# KiCad board nodular-base.kicad_pcb (continued)
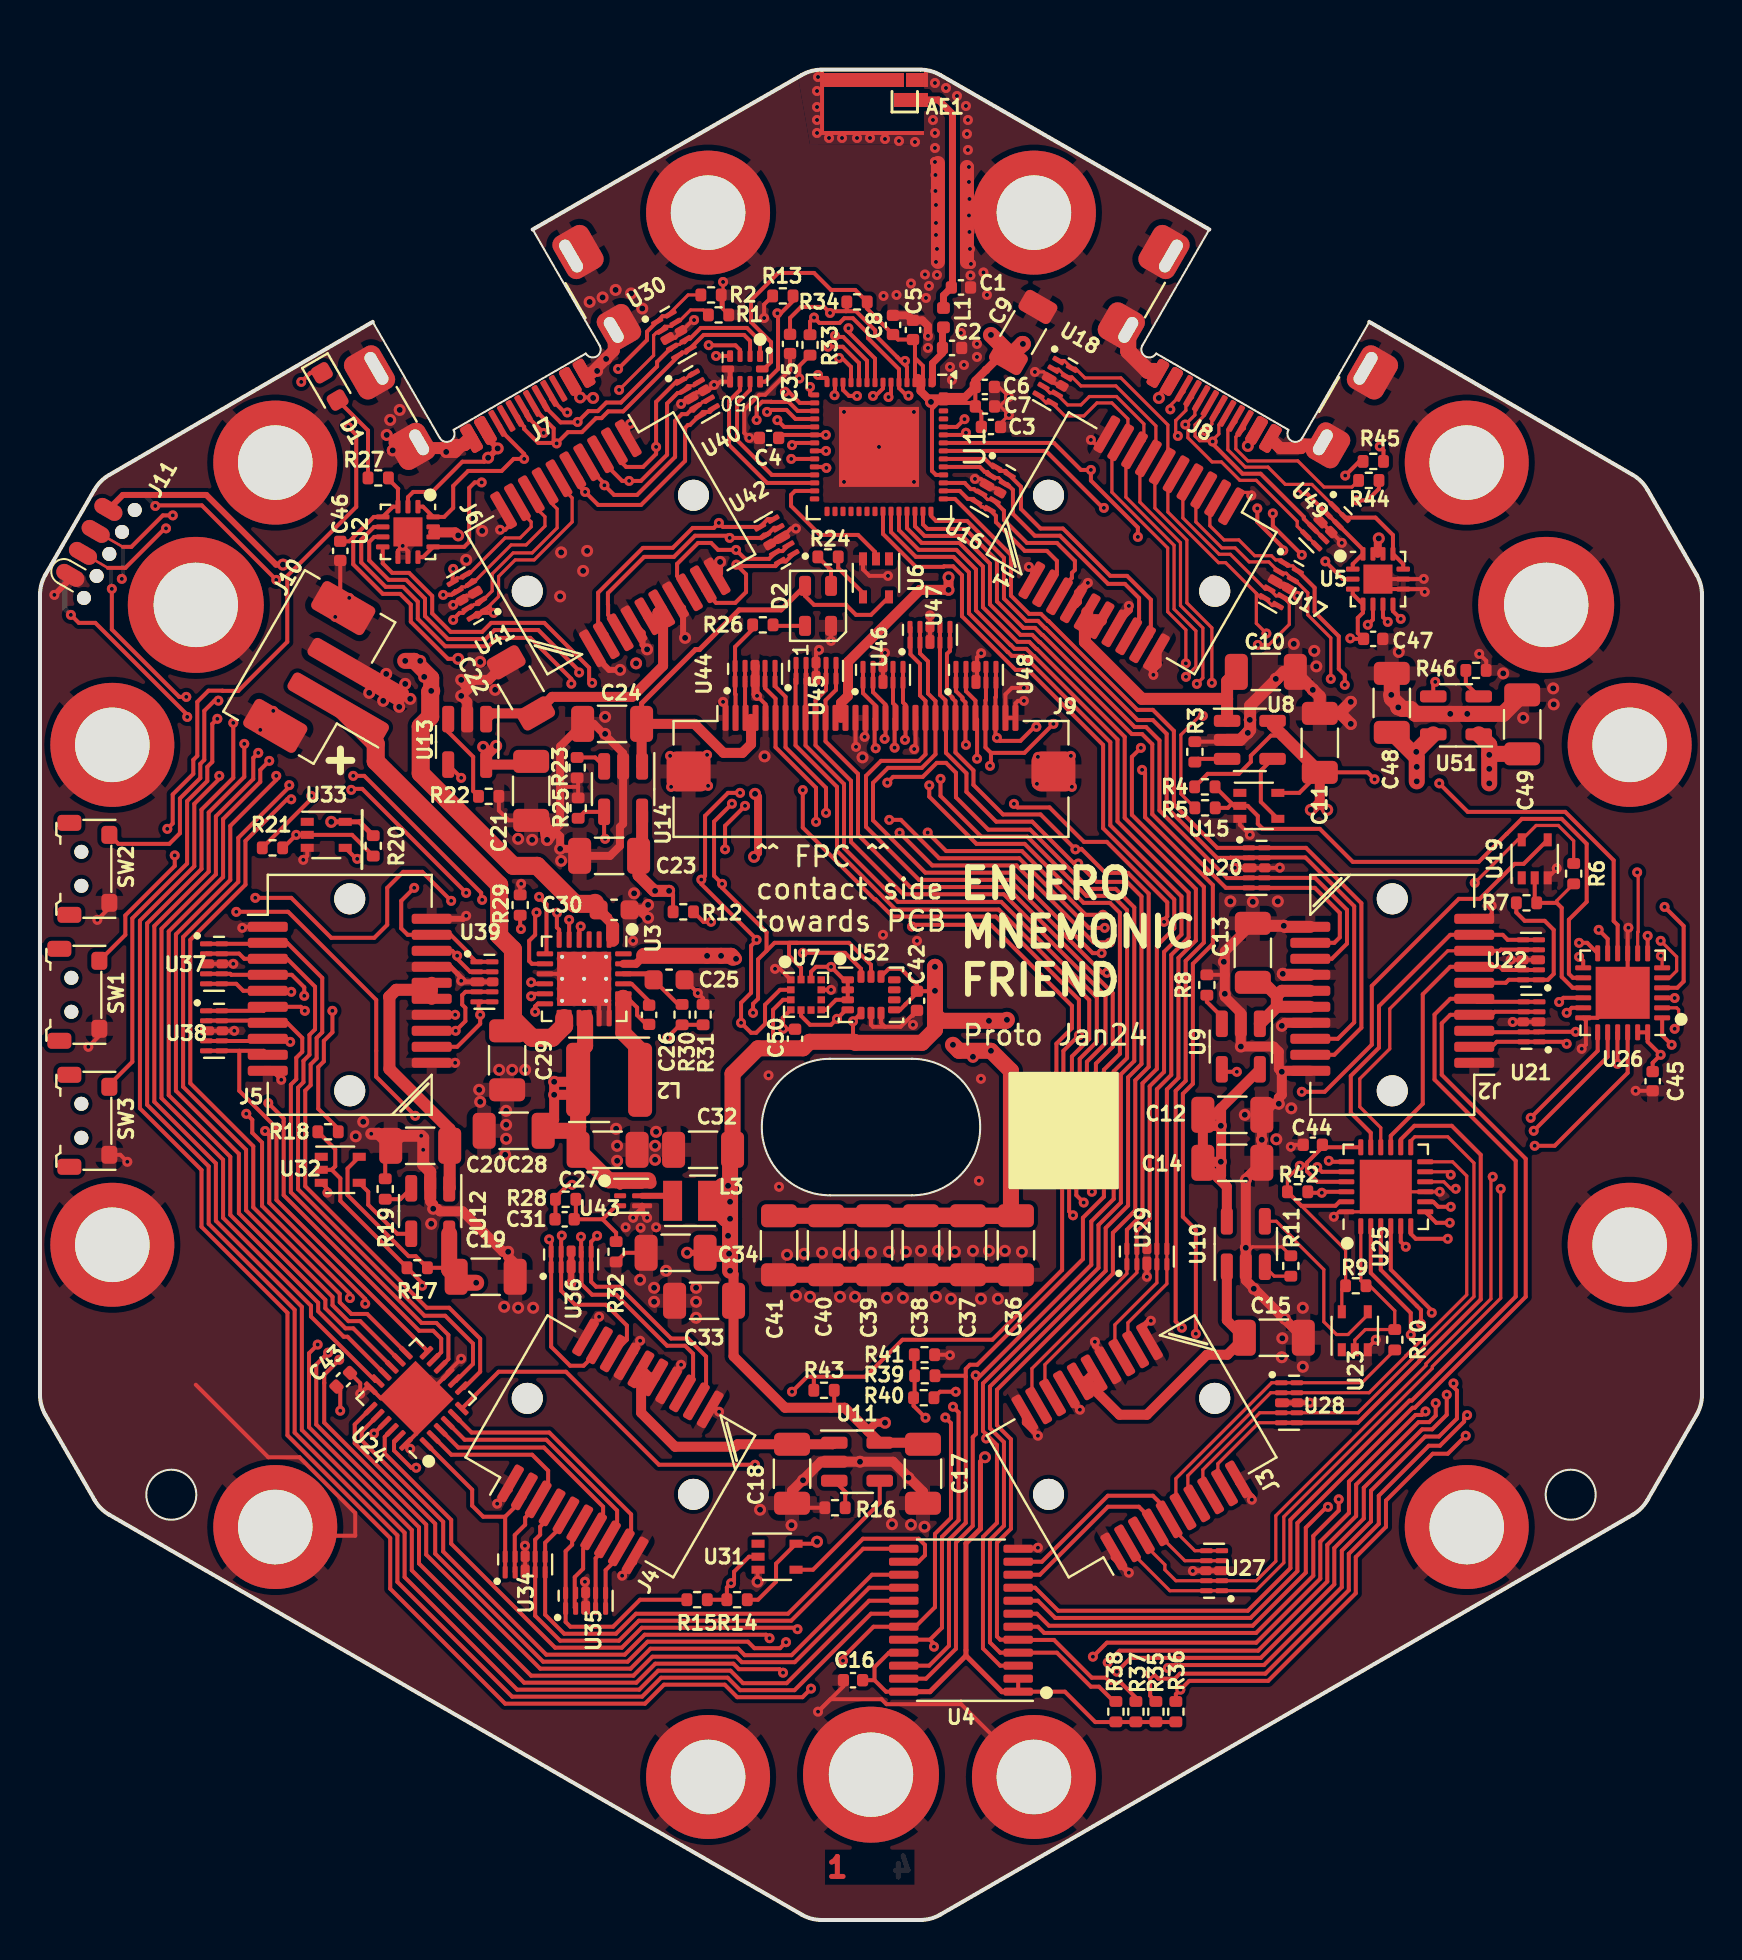
[diagram p0: board, top side]
## Routing (per net, layer and track width the routed paths; a pad name or vN(x,y) marks a point on that pad's centre or on a via; arc(x,y) is an arc through that point) (continued)
/bot-top-link/LED_DATA_TOP: length 5
  Top w0.2: R26.2 35.65,64.55 34.77,63.67 U44.10 34.77,61.32 34.79,61.29 J9.2
/bot-top-link/TOP_VBAT_SW: length 29.4
  Top w0.2: J9.3 35.27,60.14 U44.2 U44.9 ; U6.5 41.57,65.27 40.82,65.27 40.32,65.77 38.72,65.77 38.27,66.22 D2.4
  Top w0.25: D2.4 37.07,65.52 34.97,65.52 32.99,63.53 32.78,63.53 30.09,60.84 C24.1
  Top w0.5: U14.1 30.09,57.72 C24.1 32.74,59.82 34.19,58.37 35.14,58.37 35.57,58.8 35.57,60.07
/DEV_USB+: length 45.7
  Top w0.127: J11.2 3.39,67.62
  Top w0.2: v1(25.84,73.84) 25.82,73.87 24.92,73.87 24.22,74.57 24.22,74.67 23.92,74.97 23.92,75.18 J7.B6 ; v1(25.84,73.84) 25.69,73.99 25.69,74.59 24.77,75.52 24.77,75.64 ; v1(25.84,73.84) 26.41,74.41 27.11,74.41 27.81,75.11 28.09,75.11 28.42,75.44 29.17,75.44 32.12,78.39 32.32,78.39 33.2,79.27 35.22,79.27 35.52,78.97 U50.2 ; 3.39,67.62 4.27,67.62 6.25,69.59 v1(6.3,69.59)
  In2.Cu w0.2: v1(25.84,73.84) 25.69,73.69 24.8,73.69 24.35,74.14 22.49,74.14 20.27,71.92 19.22,71.92 18.64,71.34 16.42,71.34 13.54,68.47 10.82,68.47 9.77,69.52 6.38,69.52 v1(6.3,69.59)
/DEV_USB-: length 44.5
  Top w0.127: J11.3 4.14,68.67
  Top w0.16: 32.1,78.9 31.99,78.79 31.83,78.79 31.56,78.52 31.43,78.52
  Top w0.2: 4.14,68.67 4.57,68.67 6.14,70.24 v1(6.64,70.24) ; J7.A7 24.34,75.44 24.34,75.22 v1(25.19,74.37) ; 32.1,78.9 32.23,78.9 32.42,79.09 32.52,79.09 33.05,79.62 35.36,79.62 36.02,78.96 U50.1 ; J7.B7 25.22,75.93 25.22,75.72 26.04,74.89 26.87,74.89 v1(26.89,74.92) 27.43,75.46 27.9,75.46 28.33,75.89 29.06,75.89 30.87,77.7 30.87,77.92 31.43,78.48 31.43,78.52
  In2.Cu w0.2: v1(26.89,74.92) 26.34,74.37 v1(25.19,74.37) 25.07,74.49 22.29,74.49 20.09,72.29 19.1,72.29 18.55,71.74 16.22,71.74 13.34,68.86 10.92,68.86 9.86,69.92 6.97,69.92 v1(6.64,70.24)
/ESP_RXD: length 112.7
  Top w0.2: v1(49.84,59.67) 49.75,59.67 49.04,58.97 48.02,58.97 v1(47.87,59.12) 47.79,59.19 J9.28 47.79,61.14 47.82,61.17 U48.5 U48.6 ; v1(7.32,61.17) 6.96,61.17 3.59,64.54 v1(3.59,66.57) ; v1(63.12,68.27) 61.67,69.72 v1(61.67,70.34) ; 45.42,73.87 50.72,73.87 52.07,72.52 v1(52.57,72.52) 52.57,71.99 54.92,69.64 v1(54.92,69.17) ; R44.1 66.98,71.58 66.39,70.99 v1(65.87,70.99) ; v1(15.67,57.22) 16.22,57.22 22.07,51.37 22.07,51.07 v1(22.12,51.02)
  In2.Cu w0.2: v1(47.87,59.12) 48.02,58.97 48.02,57.47 45.47,54.92 43.29,54.92 42.27,55.94 39.09,55.94 37.67,54.52 28.53,54.52 28.48,54.57 27.92,54.57 27.47,54.12 27.47,52.87 26.27,51.67 24.76,51.67 24.11,51.02 v1(22.12,51.02) ; v1(15.67,57.22) 15.07,57.22 14.22,56.37 14.22,56.01 13.58,55.37 12.37,55.37 11.92,55.82 11.92,56.32 7.32,60.92 v1(7.32,61.17) ; v1(52.57,72.52) 52.57,70.67 50.37,68.47 50.37,60.47 49.84,59.94 v1(49.84,59.67) ; v1(61.67,70.34) 64.27,70.34 64.92,70.99 v1(65.87,70.99) ; v1(63.12,68.27) 62.82,67.97 60.75,67.97 59.55,69.17 v1(54.92,69.17)
  Bottom w0.127: J11.7 3.54,67.54
  Bottom w0.16: v1(3.59,66.57) 3.59,66.59 3.54,66.64 3.54,67.54
/ESP_TXD: length 110.9
  Top w0.2: v1(50.69,59.82) 49.24,58.37 47.57,58.37 ; v1(67.02,73.69) 67.2,73.51 R45.1 ; v1(62.19,68.49) 62.24,68.54 62.27,68.54 60.89,69.92 v1(60.89,70.59) ; 47.57,58.37 47.57,57.77 v1(47.52,57.72) ; 47.57,58.37 47.29,58.64 J9.27 47.29,60.99 47.32,61.02 U48.4 U48.7 ; 45.42,73.47 50.32,73.47 53.17,70.62 v1(53.22,70.62) ; v1(15.57,56.52) 15.62,56.57 16.12,56.57 v1(21.32,51.37) ; v1(7.37,60.16) 7.37,60.27 2.77,64.87 1.94,64.87 v1(1.54,65.27)
  In2.Cu w0.2: v1(15.57,56.52) 15.27,56.52 13.67,54.92 13.32,54.92 13.27,54.87 12.37,54.87 9.27,57.97 9.27,58.27 7.37,60.16 v1(7.37,60.16) ; v1(60.89,70.59) 61.39,71.09 62.43,71.09 62.71,70.81 64.04,70.81 64.82,71.59 65.37,71.59 67.02,73.24 v1(67.02,73.69) ; v1(62.19,68.49) 61.89,68.79 60.42,68.79 59.32,69.89 55.27,69.89 54.54,70.62 v1(53.22,70.62) 50.72,68.12 50.72,59.84 v1(50.69,59.82) ; v1(21.32,51.37) 21.32,51.42 22.22,52.32 25.47,52.32 25.77,52.02 26.12,52.02 26.9,52.79 26.9,54.04 27.77,54.92 37.47,54.92 38.84,56.29 42.41,56.29 43.29,55.42 45.22,55.42 v1(47.52,57.72)
  Bottom w0.25: v1(1.54,65.27) 1.24,65.57 1.24,66.49 1.22,66.51 1.22,66.95 J11.8
/GPIO/ALS1: length 39.8
  Top w0.16: U17.10 62.67,67.72 62.39,67.72 U17.1 62.09,68.02 61.81,68.02 61.6,68.23 60.76,68.23 59.97,69.02 59.23,69.02 58.52,69.73 58.52,70.71 J1.2 ; 79.92,48.34 79.92,49.39 79.94,49.42 79.94,52.34 v1(79.89,52.39)
  Top w0.2: U17.10 63.76,66.63 63.76,65.41 64.97,64.2 64.97,62.57 65.27,62.27 v1(65.27,61.77)
  In2.Cu w0.2: v1(65.27,61.77) 64.97,61.47 64.97,58.95 66.26,57.66 66.26,55.48 67.17,54.57 72.1,54.57 74.6,52.07 79.57,52.07 v1(79.89,52.39)
/GPIO/ALS2: length 48
  Top w0.16: v1(64.57,62.07) 64.57,64.12 63.42,65.27 63.42,66.37 62.75,67.03 U17.9 62.65,67.03 62.34,67.35 62.07,67.35 U17.2 61.96,67.42 61.47,67.92 60.49,67.92 59.79,68.62 59.12,68.62 57.82,69.92 57.82,71.1 J1.3
  Top w0.2: v1(81.62,43.77) 81.14,44.24 U26.1
  In2.Cu w0.16: v1(64.57,62.07) 64.57,58.87 65.92,57.52 65.92,54.83 66.55,54.2 71.99,54.2 74.45,51.74 80.88,51.74 82.26,50.36 82.26,44.36 81.66,43.77 v1(81.62,43.77)
/GPIO/ALS3: length 58.9
  Top w0.16: U26.2 81.87,45.62 81.97,45.52 81.97,44.77 v1(81.77,44.57) ; v1(57.87,61.82) 58.17,62.12 58.17,64.62 57.05,65.74 57.05,68.88 55.02,70.91 55.02,72.68 J1.7 55.82,73.48 55.82,74.72 53.82,76.72 52.07,76.72 51.62,77.17 U18.9 51.34,77.17 50.95,77.55 U18.2
  In2.Cu w0.16: v1(57.87,61.82) 57.87,62.07 58.32,62.52 59.32,62.52 64.93,56.91 64.93,54.46 66.47,52.92 71.42,52.92 73.53,50.81 79.92,50.81 81.57,49.16 81.57,47.69 81.22,47.34 81.22,45.12 v1(81.77,44.57)
/GPIO/ALS4: length 56.6
  Top w0.16: U26.3 81.76,46.12 v1(81.77,46.11) ; U18.4 50.51,76.37 50.8,76.37 U18.7 51.4,75.77 52.07,75.77 52.49,76.19 53.85,76.19 55.22,74.82 55.22,73.97 J1.8 54.75,73.2 54.32,72.77 54.32,71.16 56.73,68.75 56.73,65.56 57.82,64.47 57.82,62.67 v1(57.32,62.17)
  In2.Cu w0.16: v1(57.32,62.17) 57.52,62.17 58.19,62.84 59.45,62.84 65.25,57.04 65.25,54.59 66.57,53.27 71.67,53.27 73.82,51.12 80.12,51.12 81.91,49.33 81.91,46.25 v1(81.77,46.11)
/GPIO/ALS5: length 55.7
  Top w0.16: U18.5 50.34,75.87 U18.6 51.27,75.22 52.22,75.22 52.87,75.87 53.62,75.87 54.42,75.07 54.42,74.26 J1.9 53.62,73.46 53.62,71.4 56.41,68.61 56.41,65.43 57.32,64.52 57.32,62.85 v1(57.32,62.84)
  Top w0.2: v1(81.27,50.66) 82.22,49.71 82.22,46.94 81.9,46.62 U26.4
  In2.Cu w0.16: v1(81.27,50.66) 80.5,51.43 74.13,51.43 71.96,53.6 66.7,53.6 65.57,54.72 65.57,57.27 59.67,63.17 57.64,63.17 v1(57.32,62.84)
/GPIO/BLS1: length 15.2
  Top w0.16: v1(81.07,48.97) 81.87,48.17 81.87,47.47 81.52,47.12 U26.5
  Top w0.2: v1(76.37,43.82) 76.27,43.92 U21.1 72.87,43.92 72.62,43.67 J2.2
  In2.Cu w0.16: v1(81.07,48.97) 80.47,48.37 80.47,47.82 77.56,44.91 76.62,44.91 76.33,44.62 76.33,43.86 v1(76.37,43.82)
/GPIO/BLS2: length 11.9
  Top w0.16: U26.6 81.14,48.15 v1(81.08,48.22)
  Top w0.2: v1(76.82,44.42) U21.2 74.97,44.4 71.81,44.4 J2.3
  In2.Cu w0.16: v1(81.08,48.22) 81.08,47.65 77.85,44.42 v1(76.82,44.42)
/GPIO/BLS3: length 14.8
  Top w0.2: U22.2 74.96,47.51 73.18,47.51 73.02,47.67 J2.7 70.54,47.67 69.17,46.29 69.17,40.82 67.57,39.22 U25.15
/GPIO/BLS4: length 16.7
  Top w0.16: U25.16 67.07,39.62 66.02,40.67 66.02,42.07 67.52,43.57 67.52,45.57 70.42,48.47 J2.8
  Top w0.2: J2.8 73.02,48.47 73.08,48.53 74.96,48.53 U22.4
/GPIO/BLS5: length 17.6
  Top w0.2: U25.17 66.57,39.37 65.57,40.37 65.57,42.21 66.98,43.62 66.98,45.7 70.54,49.27 J2.9 73.17,49.27 73.42,49.02 U22.5
/GPIO/BTN1: length 54.2
  Top w0.2: 77.92,48.34 77.39,48.87 v1(76.99,48.87) ; U44.7 U44.4 36.27,61.61 36.79,61.08 J9.6 36.79,58.65 38.82,56.62 v1(38.82,54.92) ; v1(53.51,48.88) 53.5,48.89 52.7,48.89 48.85,52.74 44.63,52.74 v1(43,54.37)
  In2.Cu w0.2: v1(76.99,48.87) 77.32,48.87 77.77,48.42 77.77,47.87 77.01,47.11 73.18,47.11 72.07,48.22 59.71,48.22 59.45,48.48 58.99,48.48 58.73,48.22 54.17,48.22 v1(53.51,48.88) ; v1(43,54.37) 42.85,54.52 39.22,54.52 v1(38.82,54.92)
/GPIO/BTN2: length 50.4
  Top w0.2: v1(53.26,49.62) 52.47,49.62 48.98,53.1 44.98,53.1 43.06,55.02 v1(42.48,55.02) ; v1(39.32,55.37) 39.32,56.62 37.29,58.64 J9.7 37.29,61.17 36.77,61.7 U44.5 U44.6 ; v1(76.99,48.17) 77.19,47.96 U26.13
  In2.Cu w0.2: v1(39.32,55.37) 39.47,55.22 42.28,55.22 v1(42.48,55.02) ; v1(76.99,48.17) 75.47,48.17 74.77,47.47 73.35,47.47 72.2,48.62 59.82,48.62 59.6,48.84 58.84,48.84 58.62,48.62 54.49,48.62 53.49,49.62 v1(53.26,49.62)
/GPIO/BTN3: length 55.7
  Top w0.2: U45.10 U45.1 37.79,62.06 J9.8 37.79,58.74 39.87,56.67 39.87,53.47 42.8,50.53 47.96,50.53 52.49,46 52.49,44.05 51.62,43.19 51.62,38.32 51.48,38.18 51.48,35.44 v1(51.67,35.24) ; v1(68.32,33.67) 68.07,33.92 68.07,34.69
  In2.Cu w0.2: v1(68.32,33.67) 64.35,33.67 63.42,34.6 52.32,34.6 v1(51.67,35.24)
/GPIO/BTN4: length 58.2
  Top w0.2: v1(52.21,35.88) 51.84,36.25 51.84,38 52.01,38.17 52.01,43.07 52.86,43.92 52.86,46.13 48.08,50.92 42.91,50.92 40.22,53.61 40.22,56.81 38.29,58.74 J9.9 38.29,62.06 U45.2 U45.9 ; v1(70.42,34.07) 68.82,34.07 68.57,34.32 68.57,34.69
  In2.Cu w0.2: v1(70.42,34.07) 69.87,34.61 69.56,34.3 64.36,34.3 63.7,34.96 53.13,34.96 v1(52.21,35.88)
/GPIO/BTN5: length 56.8
  Top w0.2: U45.7 U45.4 39.32,61.52 38.79,60.99 J9.10 38.79,58.74 40.57,56.97 40.57,53.91 43.18,51.3 48.21,51.3 53.3,46.21 53.3,43.85 52.37,42.92 52.37,37.77 52.2,37.6 52.2,36.84 v1(52.62,36.42) ; v1(70.52,34.87) 69.84,34.87 U25.7
  In2.Cu w0.2: v1(52.62,36.42) 53.72,35.32 63.85,35.32 64.51,34.66 69.41,34.66 70.07,35.32 v1(70.52,34.87)
/GPIO/BTN6: length 54.9
  Top w0.2: v1(70.57,35.67) 69.94,35.67 69.69,35.92 U25.8 ; v1(52.71,37.23) 52.82,37.34 52.82,42.83 53.66,43.67 53.66,46.36 48.36,51.66 43.53,51.66 40.92,54.27 40.92,57.32 39.29,58.94 J9.11 39.29,60.99 39.82,61.52 U45.5 U45.6
  In2.Cu w0.2: v1(52.71,37.23) 54.26,35.68 70.56,35.68 v1(70.57,35.67)
/GPIO/CLS1: length 36.6
  Top w0.16: v1(70.82,36.57) 70.58,36.57 70.23,36.92 U25.10 ; J3.2 54.41,18.58 56.52,16.47 U27.1 60.82,16.47 62.22,17.87 62.22,20.17 69.65,27.6 69.65,27.68 73.07,31.1 v1(73.07,36.57)
  In2.Cu w0.16: v1(70.82,36.57) v1(73.07,36.57)
/GPIO/CLS2: length 36.4
  Top w0.16: U27.2 56.82,16.97 56.27,17.52 56.27,17.77 55.1,18.94 J3.3 ; U25.11 70.42,37.42 v1(70.57,37.27) ; v1(72.67,37.17) 72.58,37.08 72.58,31.06 69.33,27.81 69.33,27.73 61.82,20.22 61.82,17.94 60.84,16.97 58.34,16.97
  In2.Cu w0.16: v1(70.57,37.27) 72.57,37.27 v1(72.67,37.17)
/GPIO/CLS3: length 28.4
  Top w0.16: U28.2 66.48,26.37 68.33,28.21 68.33,28.23 71.37,31.27 71.37,37.21 70.66,37.92 U25.12 ; J3.7 57.87,21.07 57.42,21.52 57.42,22.22 61.56,26.37 U28.9
/GPIO/CLS4: length 29.4
  Top w0.16: J3.8 58.17,21.63 58.17,22.52 61.02,25.37 U28.7 65.94,25.37 68.65,28.08 68.65,28.1 71.73,31.18 71.73,37.86 70.42,39.17 68.77,39.17 68.57,38.97 U25.13
/GPIO/CLS5: length 31.2
  Top w0.16: J3.9 58.92,21.97 58.92,22.82 60.97,24.87 U28.6
  Top w0.2: U25.14 68.07,39.04 68.75,39.72 70.62,39.72 72.07,38.27 72.07,31.03 68.99,27.95 68.99,27.94 65.92,24.87 U28.5
/GPIO/DET_A: length 30.4
  Top w0.2: 59.62,55.82 R4.2 ; 59.62,55.82 59.73,55.72 U15.2 60.41,55.72 60.92,55.21 60.92,54.82 61.17,54.57 64.02,54.57 65.67,52.92 71.97,52.92 73.36,54.31 73.37,54.31 74.12,55.07 76.12,55.07 77.37,53.82 77.37,50.92 76.48,50.03 76.48,47.32 76.68,47.12 U26.14 ; 59.62,55.82 59.42,55.62 R5.1
/GPIO/DET_B: length 8.7
  Top w0.16: R6.2 75.87,50.97 75.87,50.87
  Top w0.2: U19.2 74.77,50.97 R7.1 75.87,50.87 76.12,50.62 76.12,47.17 76.67,46.62 U26.15
/GPIO/DET_C: length 8.7
  Top w0.16: 66.07,34.69 66.07,31.98 R9.2 66.52,31.72 67.77,30.47 R10.1 66.29,29.53 65.77,29 U23.2
/GPIO/DET_D: length 59.7
  Top w0.2: 66.57,34.69 66.57,32.36 68.57,30.36 v1(68.57,29.27) ; v1(52.67,13.17) 53.37,13.87 60.84,13.87 64.04,17.07 64.04,18.92 65.48,20.35 65.48,21.92 68.81,25.26 69.13,25.26 v1(69.3,25.43) ; R15.1 R14.2 34.36,16.63 v1(34.57,16.84) 34.72,16.99 34.72,17.42 35.47,18.17 U31.2
  In2.Cu w0.2: v1(68.57,29.27) 68.82,29.02 68.82,25.92 v1(69.3,25.43) ; v1(34.57,16.84) 34.57,14.6 36.25,12.92 38.84,12.92 39.31,12.45 45.6,12.45 46.32,13.17 v1(52.67,13.17)
/GPIO/DET_E: length 103.7
  Top w0.2: v1(69.08,29.82) 69.08,30.51 67.07,32.52 67.07,34.69 ; R18.1 14.77,38.55 14.77,37.69 14.59,37.52 ; 14.59,37.52 15.02,37.09 15.02,35.96 18.36,32.63 R17.2 19.12,31.86 v1(19.12,31.72) ; 14.59,37.52 U32.2 ; v1(13.89,28.78) 13.46,28.34 13.46,24.64 18.6,19.5 18.6,17.49 24.22,11.87 29.83,11.87 30.78,12.82 34.69,12.82 34.96,12.54 36.99,12.54 v1(37.17,12.37) ; v1(53.41,12.88) 54,13.47 60.93,13.47 64.39,16.93 64.39,18.76 65.84,20.2 65.84,21.77 68.96,24.9 69.49,24.9 69.82,25.22 v1(69.82,25.85)
  In2.Cu w0.2: v1(37.17,12.37) 37.19,12.39 38.74,12.39 39.04,12.1 52.63,12.1 v1(53.41,12.88) ; v1(19.12,31.72) 15.4,31.72 13.89,30.21 v1(13.89,28.78) ; v1(69.08,29.82) 69.47,29.43 69.47,26.2 v1(69.82,25.85)
/GPIO/DET_F: length 132.1
  Top w0.2: v1(8.97,57.22) 8.97,57.07 7.72,55.82 7.72,52.7 5,49.98 5,40.59 8.08,37.51 8.08,34.67 12.38,30.37 12.38,24.24 17.52,19.1 17.52,16.57 23.27,10.82 30.26,10.82 31.21,11.77 34.25,11.77 34.88,11.14 38.14,11.14 v1(38.57,11.57) ; v1(70.37,26.27) 70.37,25.27 69.64,24.54 69.14,24.54 66.22,21.62 66.22,20.08 64.74,18.6 64.74,16.78 61.07,13.11 54.56,13.11 v1(53.87,12.42) ; R21.1 12.17,53.62 v1(12.82,54.27) U33.2 15.61,54.27 R20.2 ; 67.57,34.69 67.57,32.53 69.62,30.48 v1(69.62,30.37)
  In2.Cu w0.2: v1(70.37,26.27) 69.92,26.72 69.92,30.07 v1(69.62,30.37) ; v1(38.57,11.57) 38.64,11.64 53.09,11.64 v1(53.87,12.42) ; v1(12.82,54.27) 12.42,54.27 9.47,57.22 v1(8.97,57.22)
/GPIO/DLS1: length 10.4
  Top w0.2: 23.27,20.17 22.17,20.17 21.62,20.72 21.62,21.52 19.33,23.81 U24.1 ; 23.27,20.17 U34.1 ; 23.27,20.17 24.23,21.13 J4.2
/GPIO/DLS2: length 12.2
  Top w0.2: U34.2 23.75,17.41 23.75,19.25 24.27,19.77 24.27,20.12 24.92,20.77 J4.3 24.92,21.27 25.42,21.77 25.42,22.47 24.62,23.27 20.58,23.27 U24.2
/GPIO/DLS3: length 13.5
  Top w0.2: 27.17,18.57 27.17,17.57 26.75,17.15 26.75,15.62 U35.2 ; U24.3 20.93,23.63 25.21,23.63 28.17,20.67 28.17,20.17 28.12,20.12
/GPIO/DLS4: length 14.7
  Top w0.2: U24.4 21.24,24.02 25.33,24.02 28.87,20.48 28.87,19.82 ; U35.4 27.79,18.09 28.02,18.32 28.02,18.67 J4.8
/GPIO/DLS5: length 15.2
  Top w0.2: U24.5 21.59,24.38 25.48,24.38 29.57,20.29 29.57,19.42 29.52,19.37 ; U35.5 28.29,17.49 28.77,17.97 28.77,18.33 J4.9
/GPIO/ELS1: length 32.1
  Top w0.2: U37.1 11.34,48.82 J5.2 12.36,48.87 14.12,47.11 14.12,44.39 13.84,44.11 13.84,43.09 13.54,42.79 13.54,41.75 13.27,41.48 13.27,36.7 19.35,30.62 20.47,30.62 22.02,29.07 22.02,27.42 21.2,26.6 U24.7
/GPIO/ELS2: length 30.8
  Top w0.2: U37.2 8.33,48.33 9.96,48.33 10.22,48.07 J5.3 12.36,48.07 13.76,46.67 13.76,44.54 13.48,44.26 13.48,43.27 13.18,42.97 13.18,41.9 12.91,41.63 12.91,36.55 19.24,30.22 20.27,30.22 21.66,28.83 21.66,27.81 20.8,26.95 U24.8
/GPIO/ELS3: length 25.7
  Top w0.2: U24.10 20.43,28.05 20.43,29.26 19.83,29.86 19.09,29.86 12.55,36.4 12.55,41.78 12.82,42.05 12.82,43.12 13.12,43.42 13.12,44.11 12.36,44.87 J5.7 11.28,44.98 8.33,44.98 U38.2
/GPIO/ELS4: length 24.8
  Top w0.2: U24.11 20.07,28.4 20.07,29.07 19.67,29.47 18.97,29.47 12.19,36.25 12.19,40.08 v1(11.42,40.85) ; v1(12.52,43.92) 12.36,44.07 J5.8 11.28,43.96 8.33,43.96 U38.4
  In2.Cu w0.2: v1(12.52,43.92) 11.42,42.82 v1(11.42,40.85)
/GPIO/ELS5: length 22.1
  Top w0.2: U38.5 9.97,43.47 ; 9.97,43.47 11.19,43.47 J5.9 ; 9.97,43.47 9.97,41.47 11.83,39.61 11.83,36.01 19.33,28.51 U24.12
/GPIO/FLS1: length 72.4
  Top w0.16: U40.10 32.59,77.35 32.28,77.05 32.12,77.05 U40.1
  Top w0.2: U40.1 31.86,76.97 30.82,75.92 v1(30.82,73.67) 30.82,73.32 30.17,72.67 29.32,72.67 29.07,72.92 29.07,73.36 J6.2 ; U24.13 16.37,30.31 15.58,30.31 14.99,30.89 14.99,31.31 10.67,35.64 10.67,38.69 7.52,41.84 7.52,49.02 10.28,51.78 10.28,53.97 12.36,56.05 v1(12.57,56.05)
  In2.Cu w0.2: v1(12.57,56.05) 14.22,57.7 14.22,61.27 16.98,64.03 20.98,64.03 22.04,65.09 22.04,66.79 24.92,69.67 28.12,69.67 30.82,72.37 v1(30.82,73.67)
/GPIO/FLS2: length 71.2
  Top w0.16: U40.9 32.9,76.92 32.71,76.73 32.4,76.73 32.09,76.42 32.07,76.42
  Top w0.2: v1(12.47,56.75) 12.47,56.67 9.92,54.12 9.92,51.92 7.16,49.16 7.16,41.67 10.31,38.52 10.31,35.49 14.63,31.17 14.63,30.74 15.43,29.95 16.02,29.95 U24.14 ; 32.03,76.37 31.9,76.37 31.37,75.84 31.37,73.28 30.06,71.97 v1(29.47,71.97) 29.12,71.97 28.04,73.05 J6.3
  In2.Cu w0.2: v1(12.47,56.75) 13.87,58.15 13.87,61.52 16.74,64.39 20.83,64.39 21.67,65.23 21.67,66.97 24.77,70.07 27.32,70.07 29.22,71.97 v1(29.47,71.97)
/GPIO/FLS3: length 59.3
  Top w0.16: 25.67,71.07 25.67,70.77 25.87,70.57 25.87,69.62 24.62,68.37 23.67,68.37 22.62,67.32 22.62,66.46 21.94,65.79 21.71,65.79 21.52,65.6 U41.9
  Top w0.2: v1(11.82,57.22) 11.82,57.02 9.52,54.72 9.52,52.01 6.8,49.29 6.8,41.47 9.95,38.32 9.95,35.34 14.27,31.02 14.27,30.59 15.28,29.59 15.67,29.59 U24.15 ; U41.9 21.16,65.37 20.99,65.37 20.67,65.05 v1(20.67,65.02)
  In2.Cu w0.2: v1(20.67,65.02) 20.47,64.82 16.53,64.82 13.42,61.71 13.42,58.82 v1(11.82,57.22)
/GPIO/FLS4: length 58.3
  Top w0.16: 25.02,70.57 25.02,70.42 25.26,70.18 25.26,69.71 24.32,68.77 23.57,68.77 21.81,67.01 21.61,67.01 21.27,66.67 21.1,66.67 U41.7
  Top w0.2: v1(11.47,57.97) 11.02,57.52 11.02,56.92 9.16,55.06 9.16,52.16 6.44,49.44 6.44,41.25 9.52,38.17 9.52,35.26 13.91,30.87 13.91,30.44 15.19,29.17 15.39,29.17 U24.16 ; v1(20.17,66.27) 20.45,66.27 20.46,66.28 20.6,66.28 20.78,66.46 U41.7
  In2.Cu w0.2: v1(20.17,66.27) 19.08,65.18 16.38,65.18 13.07,61.87 13.07,59.57 v1(11.47,57.97)
/GPIO/FLS5: length 59.1
  Top w0.16: 24.27,70.32 24.27,70.22 24.57,69.92 24.57,69.67 24.02,69.12 23.27,69.12 21.44,67.28 U41.5 21.15,67.12 20.86,67.12 U41.6
  Top w0.2: U24.17 16.78,26.95 13.55,30.18 13.55,30.72 9.16,35.11 9.16,38.02 6.08,41.1 6.08,49.57 8.8,52.29 8.8,55.19 10.67,57.06 10.67,58.12 v1(10.92,58.37) ; U41.6 20.64,67.54 v1(20.67,67.57)
  In2.Cu w0.2: v1(20.67,67.57) 18.64,65.54 16.23,65.54 12.62,61.93 12.62,60.07 v1(10.92,58.37)
/GPIO/LED_PWR_EN: length 59
  Top w0.2: v1(44.41,54.38) 45.33,53.46 49.12,53.46 52.31,50.27 v1(53.17,50.27) ; v1(28.27,54.07) 28.22,54.12 U14.4 27.24,55.42 R25.1 ; v1(80.42,49.22) 80.42,48.34
  In2.Cu w0.2: v1(44.41,54.38) 43.79,53.77 42.62,53.77 42.22,54.17 28.37,54.17 v1(28.27,54.07) ; v1(53.17,50.27) 53.64,50.27 54.79,49.12 58.61,49.12 58.69,49.2 59.75,49.2 59.97,48.98 71.76,48.98 72.16,49.38 77.32,49.38 77.69,49.01 80.21,49.01 v1(80.42,49.22)
/GPIO/TLS1: length 52.8
  Top w0.2: U26.17 76.62,45.62 v1(76.37,45.37) ; v1(53.37,47.37) 53.14,47.37 48.49,52.02 43.97,52.02 41.32,54.67 41.32,57.22 42.07,57.97 43.97,57.97 44.29,58.29 J9.21 44.29,60.97 44.02,61.24 44.02,62.82 43.54,63.29 43.54,64.63 U47.10
  In2.Cu w0.2: v1(76.37,45.37) 75.81,45.37 75.63,45.55 71.89,45.55 71.22,46.22 61.18,46.22 60.4,47 58.35,47 58.01,46.66 54.08,46.66 v1(53.37,47.37)
/GPIO/TLS2: length 51.6
  Top w0.2: v1(75.99,45.91) 76.2,46.12 U26.16 ; v1(53.1,48.35) 52.66,48.35 48.63,52.38 44.29,52.38 41.67,55 41.67,56.87 42.42,57.62 44.11,57.62 44.79,58.3 J9.22 44.79,60.96 44.42,61.34 44.42,62.94 44.02,63.34 U47.9
  In2.Cu w0.2: v1(75.99,45.91) 72.02,45.91 71.35,46.58 61.33,46.58 60.55,47.36 57.28,47.36 57.22,47.42 54.04,47.42 v1(53.1,48.35)
/I2C/SCL_A: length 85.8
  Top w0.16: J1.5 56.42,71.89 56.42,70.41 58.95,67.88 59.31,67.88 60.84,66.34 ; v1(61.35,64.34) 60.84,64.84 60.84,66.34 ; 60.84,66.34 61.06,66.12 U17.5 61.64,65.74 U17.6
  Top w0.2: v1(57.12,29.62) 56.81,29.93 56.81,41.47 57.31,41.97 57.31,47.97 58.22,48.88 58.22,51.67 54.62,55.27 54.62,58.17 v1(55.07,58.62) ; v1(64.43,20.66) 64.36,20.66 63.32,19.62 63.32,17.37 60.66,14.72 50.47,14.72 49.87,15.32 U4.7
  In2.Cu w0.2: v1(55.07,58.62) 56.34,59.89 56.34,63.24 56.95,63.85 60.29,63.85 60.78,64.34 v1(61.35,64.34) ; v1(57.12,29.62) 57.12,29.3 57.61,28.81 58.53,28.81 64.43,22.91 v1(64.43,20.66)
/I2C/SCL_B: length 54.7
  Top w0.2: U4.9 49.78,16.62 50.93,15.47 60.42,15.47 62.55,17.6 62.55,20.01 68.51,25.98 68.62,25.98 73.82,31.18 73.82,37.97 69.76,42.03 69.76,45.28 70.54,46.07 J2.5 71.89,45.92 U21.5
/I2C/SCL_C: length 12.4
  Top w0.16: U27.5 57.77,18.47 56.48,19.75 J3.5
  Top w0.2: U4.11 50.12,17.92 53.42,21.22 55.67,21.22 56.17,20.72 56.17,20.57
/I2C/SCL_D: length 28.1
  Top w0.2: U4.14 43.94,17.92 44.27,18.24 44.27,18.75 43.96,19.07 41.17,19.07 37.42,15.32 29.81,15.32 28.81,14.32 26.22,14.32 25.27,15.27 U34.5 25.27,18.87 26.12,19.72 26.12,19.82
/I2C/SCL_E: length 67.5
  Top w0.2: v1(10.32,40.32) 10.62,40.02 10.62,39.37 11.11,38.88 11.11,35.71 15.5,31.31 v1(15.5,31.1) ; v1(14.41,28.37) 13.82,27.78 13.82,24.78 18.96,19.64 18.96,17.83 24.57,12.22 29.68,12.22 30.63,13.17 34.83,13.17 35.11,12.89 37.75,12.89 41.48,16.62 U4.16 ; v1(12.57,46.42) 12.52,46.47 J5.5 10.17,46.47 9.82,46.82 U37.6 U37.5
  In2.Cu w0.2: v1(12.57,46.42) 10.55,44.4 10.55,43.76 10.32,43.53 v1(10.32,40.32) ; v1(14.41,28.37) 14.41,29.61 15.5,30.7 v1(15.5,31.1)
/I2C/SCL_F: length 114.7
  Top w0.2: U4.18 41.57,15.32 37.74,11.49 35.02,11.49 34.4,12.12 31.07,12.12 30.12,11.17 23.62,11.17 17.88,16.91 17.88,19.23 12.74,24.37 12.74,30.52 8.44,34.82 8.44,37.69 5.36,40.77 5.36,49.84 8.08,52.56 8.08,55.53 9.67,57.12 v1(9.67,59.87) ; U40.6 33.51,75.42 33.16,75.42 32.51,74.77 32.42,74.77 32.27,74.62 32.27,72.97 30.07,70.77 27.92,70.77 v1(27.27,71.42) 27.07,71.62 27.07,72.09 J6.5
  In2.Cu w0.2: v1(9.67,59.87) 9.69,59.89 9.69,60.49 13.57,64.37 13.57,66.21 17.08,69.72 19.19,69.72 19.89,70.42 23.67,70.42 24.57,71.32 27.17,71.32 v1(27.27,71.42)
/I2C/SDA_A: length 85.6
  Top w0.16: v1(60.92,63.77) 61.47,63.77 62.49,64.79 62.49,65.85 U17.7 62.12,66.22 61.84,66.22 U17.4 61.29,66.56 59.55,68.3 58.99,68.3 57.17,70.12 57.17,71.55 J1.4
  Top w0.2: v1(57.82,29.32) 57.82,34.52 57.17,35.17 57.17,41.32 57.67,41.82 57.67,47.82 58.67,48.82 58.67,51.76 55.28,55.15 55.28,57.37 v1(55.13,57.52) ; v1(64.97,21.04) 64.97,20.48 63.69,19.21 63.69,17.22 60.83,14.36 50.23,14.36 49.92,14.67 U4.6
  In2.Cu w0.2: v1(57.82,29.32) 58.72,29.32 64.97,23.07 v1(64.97,21.04) ; v1(55.13,57.52) 56.69,59.08 56.69,63.1 57.09,63.5 60.65,63.5 v1(60.92,63.77)
/I2C/SDA_B: length 54.3
  Top w0.2: U21.4 72.77,45.42 72.62,45.27 J2.4 70.54,45.27 70.12,44.84 70.12,42.27 74.32,38.07 74.32,31.17 68.77,25.62 68.66,25.62 62.9,19.86 62.9,17.45 60.56,15.11 50.78,15.11 49.92,15.97 U4.8
/I2C/SDA_C: length 12.9
  Top w0.16: J3.4 55.79,19.45 57.27,17.97 U27.4
  Top w0.2: U4.10 50.02,17.27 53.42,20.67 54.97,20.67 55.79,19.85 J3.4
/I2C/SDA_D: length 25.8
  Top w0.2: U4.13 41.18,18.57 37.58,14.97 29.96,14.97 28.96,13.97 26.02,13.97 24.77,15.22 U34.4 24.77,19.02 25.02,19.27 25.02,19.67 25.27,19.92
/I2C/SDA_E: length 68.2
  Top w0.2: v1(14.97,28.02) 14.22,27.27 14.22,26.86 14.22,26.86 14.22,24.88 19.32,19.77 19.32,18.27 25.02,12.57 29.54,12.57 30.54,13.57 34.93,13.57 35.25,13.24 37.59,13.24 41.62,17.27 U4.15 ; v1(11.26,39.46) 11.47,39.25 11.47,35.86 16.27,31.06 v1(16.27,30.82) ; U37.4 U37.7 9.52,47.32 9.57,47.27 J5.4 12.59,47.27 13.22,46.64 v1(13.22,46.22)
  In2.Cu w0.2: v1(14.97,28.02) 14.97,29.37 16.27,30.67 v1(16.27,30.82) ; v1(13.22,46.22) 10.91,43.91 10.91,39.81 v1(11.26,39.46)
/I2C/SDA_F: length 113.8
  Top w0.16: U40.7 33.32,75.92 33.15,75.92 32.69,75.47 32.52,75.47
  Top w0.2: 32.52,75.47 32.36,75.31 32.11,75.31 31.77,74.97 31.77,73.17 29.87,71.27 28.71,71.27 v1(28.23,71.75) 28.23,71.83 27.35,72.72 J6.4 ; U4.17 41.48,15.97 37.35,11.84 35.17,11.84 34.54,12.47 30.92,12.47 29.97,11.52 23.87,11.52 18.24,17.15 18.24,19.37 13.1,24.51 13.1,30.66 8.8,34.96 8.8,37.84 5.72,40.92 5.72,49.71 8.44,52.43 8.44,55.39 10.22,57.17 v1(10.22,58.82)
  In2.Cu w0.2: v1(10.22,58.82) 10.22,60.32 13.97,64.07 13.97,66 17.24,69.27 19.37,69.27 20.13,70.02 23.83,70.02 24.62,70.82 27.39,70.82 28.23,71.66 v1(28.23,71.75)
/I2C_RESET: length 90.2
  Top w0.2: 47.31,24.31 47.17,24.45 47.17,26.84 52.95,32.62 52.95,34.76 54.07,35.88 54.07,42.29 54.74,42.96 54.74,50.64 53.81,51.57 52.49,51.57 49.53,54.53 47.43,54.53 45.82,56.14 45.82,57.37 45.32,57.87 44.86,57.87 44.16,57.17 42.68,57.17 v1(42.38,56.88) ; 47.31,24.31 47.33,24.29 v1(47.33,24.08) ; 47.31,24.31 47.87,23.75 47.87,19.86 47.17,19.16 47.17,13.58 48.03,12.72 U4.3 ; R41.2 43.73,27.23 R39.1 43.75,26.17 R40.1 ; v1(38.92,77.27) 39.07,77.12 39.37,77.12 ; R40.1 43.52,26.12 ; R40.1 43.7,25.71 v1(44.29,25.12)
  In2.Cu w0.2: v1(47.33,24.08) 45.33,24.08 v1(44.29,25.12) ; v1(38.92,77.27) 39.12,77.07 39.12,75.8 40.18,74.74 40.18,73.56 41.07,72.67 41.07,60.93 40.27,60.13 40.27,58.17 41.56,56.88 v1(42.38,56.88)
/INT_ACCEL: length 74
  Top w0.2: U52.4 40.32,45.52 v1(39.87,45.07) 39.57,44.77 38.52,44.77 38.07,45.22 U7.5 ; 38.64,27.17 38.37,27.17 v1(37.62,26.42) ; 38.64,27.17 38.71,27.1 R43.2 ; 38.64,27.17 41.29,27.17 43.14,29.02 47.64,29.02 51.13,32.51 51.13,37.92 50.62,38.43 50.62,38.85 50.84,39.07 50.84,43.83 51.62,44.6 51.62,45.72 47.57,49.77 43.71,49.77 v1(43.62,49.68) ; v1(35.77,22.77) 30.96,22.77 26.31,27.42 22.94,27.42 U24.6
  In2.Cu w0.2: v1(35.77,22.77) 35.77,24.57 v1(37.62,26.42) ; v1(43.62,49.68) 42.51,48.57 39.57,48.57 38.77,47.77 38.77,46.37 39.87,45.27 v1(39.87,45.07)
/LED_DATA: length 7.1
  Top w0.2: U6.2 41.77,68.12 41.77,68.42 40.92,69.27 39.02,69.27 37.57,70.72 37.57,71.27 37.77,71.47 38.52,71.47
/NA_HS1: length 8
  Top w0.16: U16.6 47.3,70.53 47.17,70.67 47.09,70.67 U16.5
  Top w0.2: U16.5 46.69,71.07 46.41,71.07 46.01,71.47 45.42,71.47 ; 50.62,67.17 50.87,67.42 50.87,67.97 50.37,68.47 49.26,68.47 47.82,69.91 47.82,70.22 U16.6
/NA_HS2: length 9.1
  Top w0.16: U16.7 47.68,71.04 47.4,71.04 47.08,71.35 U16.4
  Top w0.2: 45.42,71.87 46.26,71.87 46.26,71.86 46.56,71.56 46.73,71.56 46.84,71.45 ; 47.76,70.93 48.22,70.48 48.22,70.02 49.37,68.87 50.87,68.87 51.77,67.97 51.77,67.52 51.62,67.37 51.62,67.12 51.42,66.92